# Altium PCB SAMW25_Xplained_Pro.PcbDoc (part 9 of 9)
Units mm, origin at the board's own origin, x right, y up, seen from the top; angles counter-clockwise.
Board outline 60 x 60 mm, 4 copper layers (Top Layer LF-signals, GND, POWER, Bottom Layer LF-signals), stack 1.602 mm thick; 139 components, 107 nets, 540 pads, 303 vias.
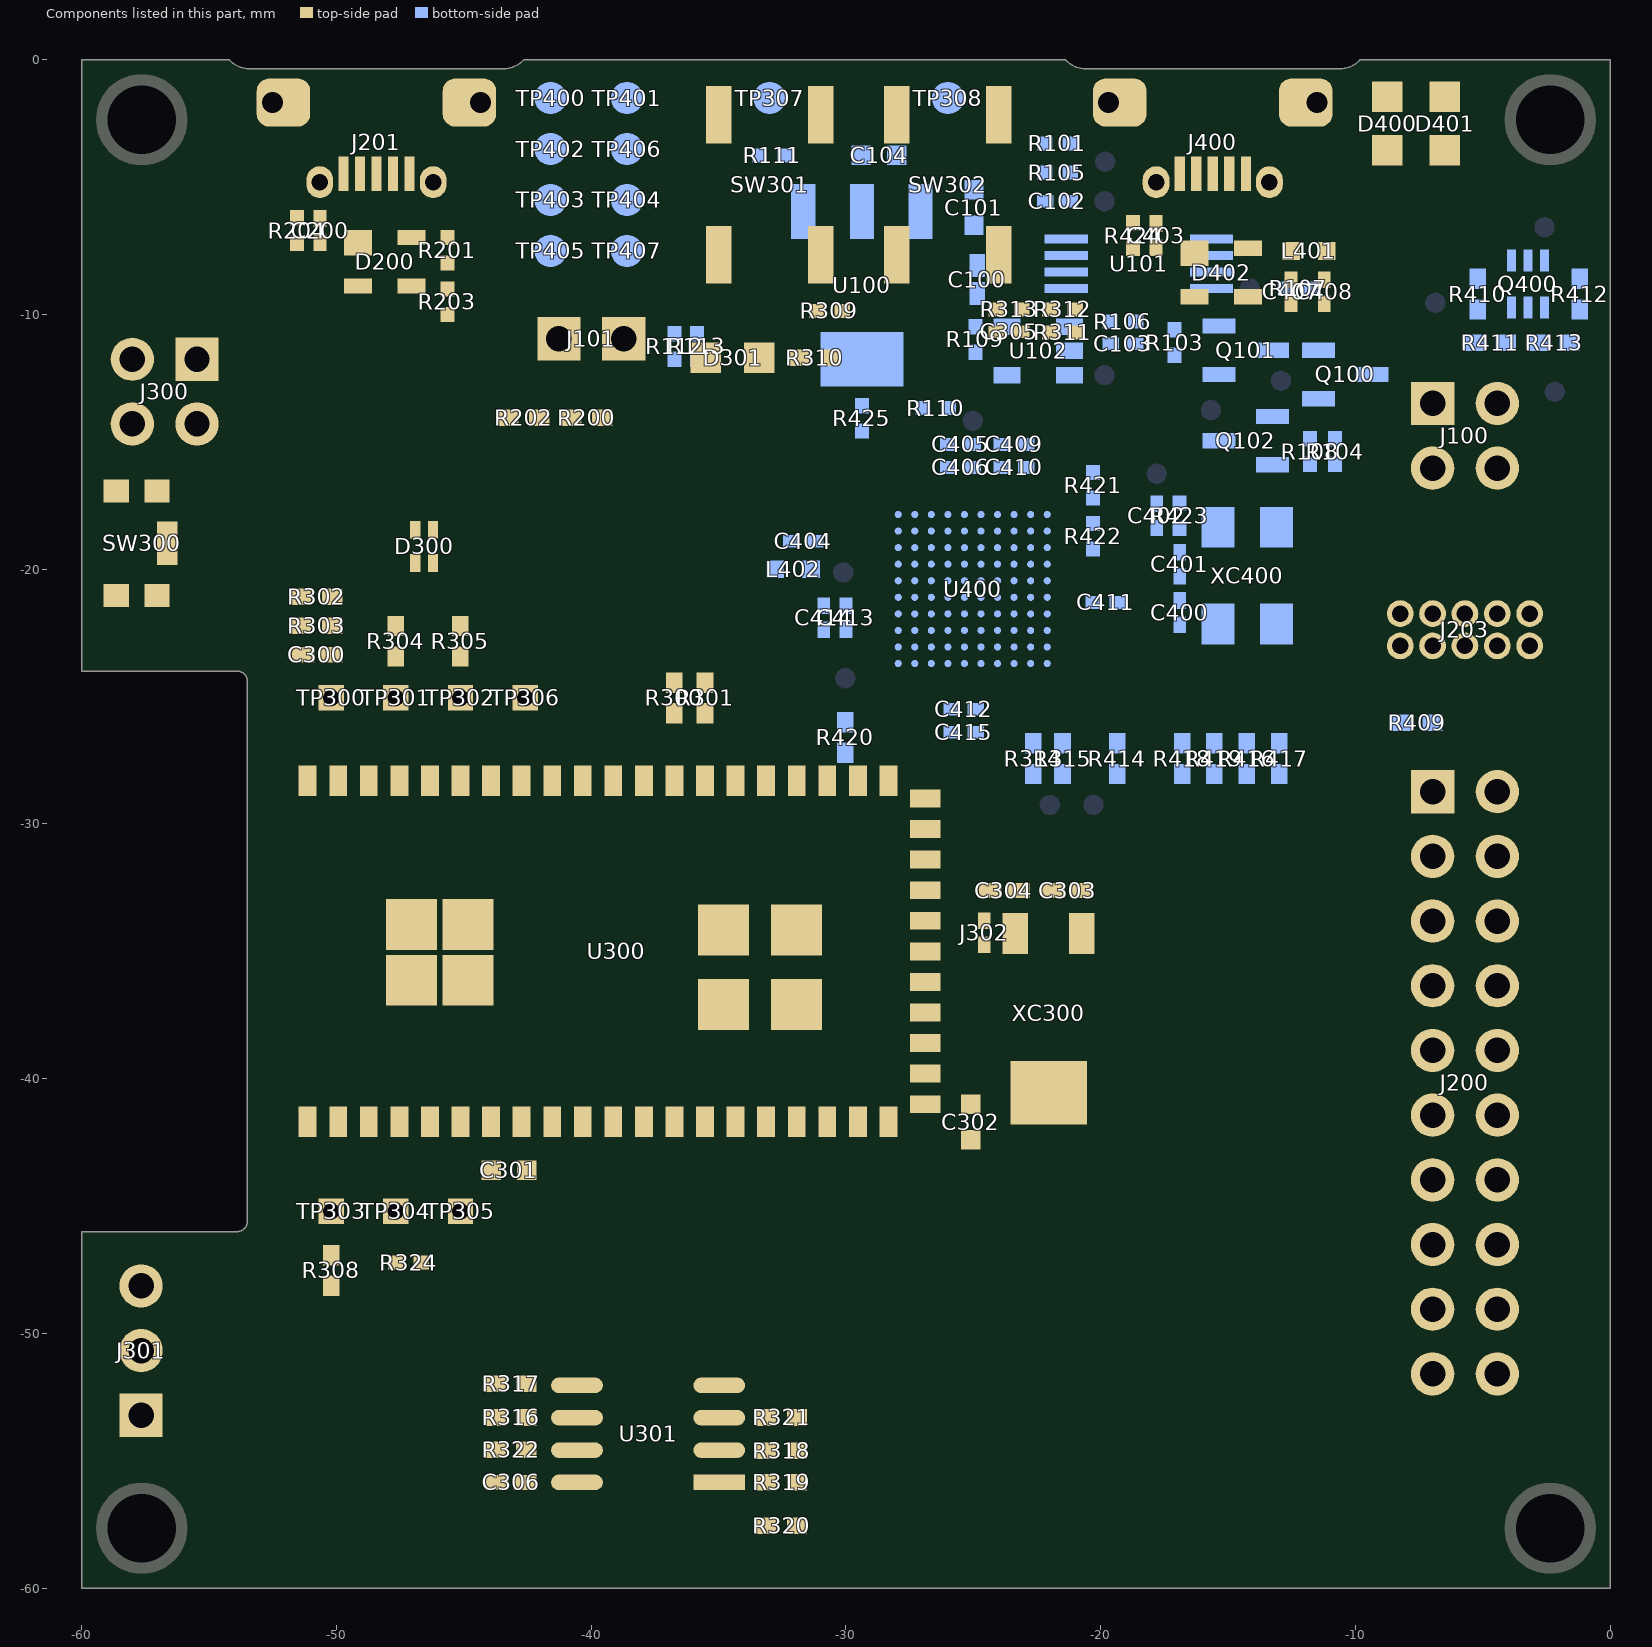
[diagram p11: the components of this part, seen from the top]

## Polygon pours and split planes (outlines as drawn) (continued)
GND on GND (split plane): -0.252,-59.748 -59.748,-59.748 -59.748,-46.252 -53.9,-46.252 -53.897,-46.252 -53.798,-46.244 -53.699,-46.22 -53.604,-46.181 -53.517,-46.127 -53.439,-46.061 -53.373,-45.983 -53.319,-45.896 -53.28,-45.801 -53.256,-45.702 -53.248,-45.603 -53.248,-45.6 -53.248,-24.4 -53.248,-24.397 -53.256,-24.298 -53.28,-24.199 -53.319,-24.104 -53.373,-24.017 -53.439,-23.939 -53.517,-23.873 -53.604,-23.819 -53.699,-23.78 -53.798,-23.756 -53.897,-23.748 -53.9,-23.748 -59.748,-23.748 -59.748,-0.252 -54.314,-0.252 -54.237,-0.321 -54.119,-0.405 -53.992,-0.474 -53.859,-0.53 -53.72,-0.57 -53.578,-0.594 -53.435,-0.602 -53.434,-0.602 -43.434,-0.602 -43.433,-0.602 -43.29,-0.594 -43.148,-0.57 -43.009,-0.53 -42.876,-0.474 -42.749,-0.405 -42.631,-0.321 -42.554,-0.252 -21.48,-0.252 -21.403,-0.321 -21.285,-0.405 -21.158,-0.474 -21.025,-0.53 -20.886,-0.57 -20.744,-0.594 -20.601,-0.602 -20.6,-0.602 -10.6,-0.602 -10.599,-0.602 -10.456,-0.594 -10.314,-0.57 -10.175,-0.53 -10.042,-0.474 -9.915,-0.405 -9.797,-0.321 -9.72,-0.252 -0.252,-0.252
VCC_EDBG_P3V3 on POWER (split plane): -0.252,-14.123 -6.025,-14.123 -6.077,-14.13 -6.126,-14.15 -6.168,-14.182 -6.2,-14.224 -6.22,-14.273 -6.227,-14.325 -6.227,-24.566 -7.984,-26.323 -28.375,-26.323 -33.635,-21.063 -33.635,-6.887 -33.35,-6.602 -31.519,-6.602 -31.202,-6.919 -31.202,-11.2 -31.195,-11.252 -31.175,-11.301 -31.143,-11.343 -30.743,-11.743 -30.701,-11.775 -30.652,-11.795 -30.6,-11.802 -20.475,-11.802 -20.423,-11.795 -20.374,-11.775 -20.332,-11.743 -20.3,-11.701 -20.28,-11.652 -20.273,-11.6 -20.273,-10.277 -18.75,-10.277 -18.698,-10.27 -18.649,-10.25 -18.607,-10.218 -18.575,-10.176 -18.555,-10.127 -18.548,-10.075 -18.548,-0.602 -10.6,-0.602 -10.599,-0.602 -10.456,-0.594 -10.314,-0.57 -10.175,-0.53 -10.042,-0.474 -9.915,-0.405 -9.797,-0.321 -9.72,-0.252 -0.252,-0.252
VCC_MCU_P3V3 on POWER (split plane): -40.202,-10.009 -40.202,-12.925 -40.195,-12.977 -40.175,-13.026 -40.143,-13.068 -39.402,-13.809 -39.402,-38.475 -39.395,-38.527 -39.375,-38.576 -39.343,-38.618 -38.818,-39.143 -38.776,-39.175 -38.727,-39.195 -38.675,-39.202 -24.984,-39.202 -23.752,-40.434 -23.752,-42.141 -25.134,-43.523 -44.366,-43.523 -44.823,-43.066 -44.823,-40.284 -43.507,-38.968 -43.475,-38.926 -43.455,-38.877 -43.448,-38.825 -43.448,-10.409 -42.316,-9.277 -40.934,-9.277
VCC_TARGET_USB_P5V0 on POWER (split plane): -21.403,-0.321 -21.285,-0.405 -21.158,-0.474 -21.025,-0.53 -20.886,-0.57 -20.744,-0.594 -20.601,-0.602 -20.6,-0.602 -18.952,-0.602 -18.952,-9.873 -20.273,-9.873 -20.273,-6.4 -20.273,-4.7 -20.28,-4.648 -20.3,-4.599 -20.332,-4.557 -22.107,-2.782 -22.149,-2.75 -22.198,-2.73 -22.25,-2.723 -40.925,-2.723 -40.977,-2.73 -41.026,-2.75 -41.068,-2.782 -43.118,-4.832 -43.15,-4.874 -43.17,-4.923 -43.177,-4.975 -43.177,-7.241 -43.659,-7.723 -44.691,-7.723 -45.123,-7.291 -45.123,-0.602 -43.434,-0.602 -43.433,-0.602 -43.29,-0.594 -43.148,-0.57 -43.009,-0.53 -42.876,-0.474 -42.749,-0.405 -42.631,-0.321 -42.554,-0.252 -21.48,-0.252
VCC_TARGET_P3V3 on POWER (split plane): -54.237,-0.321 -54.119,-0.405 -53.992,-0.474 -53.859,-0.53 -53.72,-0.57 -53.578,-0.594 -53.435,-0.602 -53.434,-0.602 -45.527,-0.602 -45.527,-7.375 -45.52,-7.427 -45.5,-7.476 -45.468,-7.518 -44.918,-8.068 -44.876,-8.1 -44.827,-8.12 -44.775,-8.127 -43.575,-8.127 -43.523,-8.12 -43.474,-8.1 -43.432,-8.068 -42.832,-7.468 -42.8,-7.426 -42.78,-7.377 -42.773,-7.325 -42.773,-5.059 -40.841,-3.127 -22.334,-3.127 -20.677,-4.784 -20.677,-6.4 -20.677,-10.075 -20.677,-11.398 -30.516,-11.398 -30.798,-11.116 -30.798,-6.835 -30.805,-6.783 -30.825,-6.734 -30.857,-6.693 -31.293,-6.257 -31.334,-6.225 -31.383,-6.205 -31.435,-6.198 -33.433,-6.198 -33.485,-6.205 -33.534,-6.225 -33.576,-6.257 -33.979,-6.661 -34.011,-6.703 -34.032,-6.751 -34.038,-6.803 -34.038,-21.147 -34.032,-21.199 -34.011,-21.248 -33.979,-21.289 -28.601,-26.668 -28.559,-26.7 -28.511,-26.72 -28.458,-26.727 -7.9,-26.727 -7.848,-26.72 -7.799,-26.7 -7.757,-26.668 -5.882,-24.793 -5.864,-24.769 -5.85,-24.751 -5.83,-24.702 -5.823,-24.65 -5.823,-14.527 -0.252,-14.527 -0.252,-59.748 -59.748,-59.748 -59.748,-46.252 -53.9,-46.252 -53.897,-46.252 -53.798,-46.244 -53.699,-46.22 -53.604,-46.181 -53.517,-46.127 -53.439,-46.061 -53.373,-45.983 -53.319,-45.896 -53.28,-45.801 -53.256,-45.702 -53.248,-45.603 -53.248,-45.6 -53.248,-24.4 -53.248,-24.397 -53.256,-24.298 -53.28,-24.199 -53.319,-24.104 -53.373,-24.017 -53.439,-23.939 -53.517,-23.873 -53.604,-23.819 -53.699,-23.78 -53.798,-23.756 -53.897,-23.748 -53.9,-23.748 -59.748,-23.748 -59.748,-0.252 -54.314,-0.252

## Keep-outs
Keep-Out Layer:
  lines w0.1: -44.064,-0.436 ccw(c-43.434,0.386) -42.658,-0.3 -21.375,-0.3 ccw(c-20.599,0.386) -19.964,-0.432 -11.23,-0.432 ; -44.064,-0.432 -52.798,-0.432 cw(c-53.433,0.386) -54.209,-0.3 -59.7,-0.3 -59.7,-23.7 -53.6,-23.7 cw(c-53.6,-24.1) -53.2,-24.1 -53.2,-45.9 cw(c-53.6,-45.9) -53.6,-46.3 -59.7,-46.3 -59.7,-59.7 -0.3,-59.7 -0.3,-0.3 -9.825,-0.3 cw(c-10.6,0.386) -11.23,-0.436

## Other copper
Top Layer LF-signals:
  pour cut-out: -41.525,-56.7 -41.525,-50.95 -33.6,-50.95 -33.6,-56.7
POWER (plane layer: these items are gaps in the copper):
  lines w0.4: -46.1,-0.4 -45.325,-0.4 -45.325,-7.375 -44.775,-7.925 -43.575,-7.925 -42.975,-7.325 -42.975,-4.975 -40.925,-2.925 -22.25,-2.925 -20.475,-4.7 -20.475,-6.4 ; -44.844,-59.984 -43.75,-59.984 ; -19.225,-0.375 -18.75,-0.375 -18.75,-10.075 -20.475,-10.075 -20.475,-6.4 ; 0,-14.325 -6.025,-14.325 -6.025,-24.65 -7.9,-26.525 -28.458,-26.525 -33.837,-21.147 -33.837,-6.803 -33.433,-6.4 -31.8,-6.4 -31.435,-6.4 -31,-6.835 -31,-11.2 -30.6,-11.6 -20.475,-11.6 -20.475,-6.4 ; -45.025,-43.15 -44.45,-43.725 -25.05,-43.725 -23.55,-42.225 -23.55,-40.35 -24.9,-39 -38.675,-39 -39.2,-38.475 -39.2,-13.725 -40,-12.925 -40,-9.925 -40.85,-9.075 -42.4,-9.075 -43.65,-10.325 -43.65,-38.825 -45.025,-40.2 -45.025,-43.15

## Silkscreen, mask and mechanical layers (free items; w line width, h text height)
Top Overlay:
  pour cut-out: -4.25,-2.35 ccw(c-2.35,-2.35) -2.35,-4.25 ccw(c-2.35,-2.35) -0.45,-2.35 ccw(c-2.35,-2.35) -2.35,-0.45 ccw(c-2.35,-2.35)
  text "GND" at -3.829,-6.006 h1.52
  text "VCC_TARGET" at -38.225,-7.65 h1 r90
  text "VCC_MCU" at -40.85,-7.675 h1 r90
  text "DEBUG USB" at -21.275,-8.501 h1.5 r90
  text "TARGET USB" at -54.35,-9.2 h1.5 r90
  text "POWER" at -8.25,-10 h1.5 r90
  text "STATUS" at -6,-10.25 h1.5 r90
  text "SW0" at -36.2,-10.5 h1.5
  text "RESET" at -29.2,-10.5 h1.5
  text "PWR" at -7.126,-11.943 h1.5
  text "5V0_IN" at -16.792,-13.96 h1.5
  text "GND" at -11.8,-13.96 h1.5
  text "LED0" at -36.327,-13.976 h1.5
  text "VBUS" at -47.65,-14.525 h1.5
  text "ID" at -38.7,-14.525 h1.5
  text "DISCONNECT" at -46.216,-15.8 h1.5
  text "I2C DEBUG" at -52.9,-16.5 h1.5 r90
  text "5V0" at -16.784,-16.5 h1.5
  text "3V3" at -11.792,-16.5 h1.5
  text "B" at -32.875,-18.225 h7
  text "SAMW25" at -8.24,-18.872 h1.5
  text "CORTEX DEBUG" at -10.875,-19.988 h1.5
  text "WIFI" at -53.85,-20.35 h1.5 r90
  text "LED1" at -47.575,-20.6 h1.5 r90
  text "RESET" at -55.05,-21.125 h1.5 r90
  text "SAMW25" at -36.9,-21.721 h2
  text "X" at -28.362,-21.746 h4
  text "PLAINED" at -24.937,-21.746 h2
  text "PRO" at -15.887,-21.73 h1
  text "EXT1" at -7.147,-25.85 h1.5
  text "SAMW25H18-MR510PB" at -52.269,-27.15 h1.5
  text "1" at -7.197,-27.309 h1.5
  text "2" at -4.761,-27.314 h1.5
  text "ID" at -15.765,-29.194 h1.5
  text "GND" at -11.798,-29.194 h1.5
  text "PA02" at -15.765,-31.734 h1.5
  text "PA03" at -11.798,-31.734 h1.5
  text "PB02" at -15.765,-34.274 h1.5
  text "PB03" at -11.798,-34.274 h1.5
  text "PA10" at -15.765,-36.814 h1.5
  text "PA11" at -11.798,-36.814 h1.5
  text "PA20" at -15.765,-39.354 h1.5
  text "PA21" at -11.798,-39.354 h1.5
  text "PA08" at -15.765,-41.894 h1.5
  text "PA09" at -11.798,-41.894 h1.5
  text "32.768 kHz Crystal" at -18.85,-42.225 h1.5 r90
  text "PB11" at -15.765,-44.434 h1.5
  text "PB10" at -11.798,-44.434 h1.5
  text "PA17" at -15.765,-46.969 h1.5
  text "PA18" at -11.798,-46.969 h1.5
  text "PA16" at -15.765,-49.509 h1.5
  text "PA19" at -11.798,-49.509 h1.5
  text "GND" at -15.765,-52.054 h1.5
  text "VCC" at -11.798,-52.054 h1.5
  text "19" at -7.665,-53.948 h1.5
  text "20" at -5.14,-53.953 h1.5
  text "UART DEBUG" at -54.925,-54.875 h1.5 r90
Bottom Overlay:
  text "GND" at -39.2,-2.775 h0.67
  text "BOOT" at -35.481,-2.775 h0.67
  text "TCK" at -39.2,-4.775 h0.67
  text "RST" at -36.152,-4.775 h0.67
  text "TDI" at -39.424,-6.775 h0.67
  text "TDO" at -36.152,-6.775 h0.67
  text "TMS" at -39.2,-8.775 h0.67
  text "VCC" at -36.152,-8.775 h0.67
  text "SDA" at -58.356,-10.55 h0.67 r270
  text "SCL" at -55.816,-10.55 h0.67 r270
  text "2" at -0.92,-13.96 h1.5
  text "4" at -0.879,-16.5 h1.5
  text "NC" at -58.356,-16.628 h0.67 r270
  text "GND" at -55.816,-17.3 h0.67 r270
  text "RESET" at -50.551,-24.3 h0.67 r270
  text "GPIO18" at -48.011,-24.3 h0.67 r270
  text "GPIO16" at -45.471,-24.3 h0.67 r270
  text "GPIO15" at -42.931,-24.3 h0.67 r270
  text "ID" at -8.142,-29.035 h0.67
  text "GND" at -0.795,-29.035 h0.67
  text "XPLAINED PRO" at -14.5,-30.807 h0.67
  text "PA02" at -8.142,-31.574 h0.67
  text "PA03" at -0.795,-31.574 h0.67
  text "EXTENSION HEADER" at -13.156,-31.957 h0.67
  text "ID" at -18.425,-33.8 h1.3
  text "GND" at -12.3,-33.8 h1.3
  text "PB02" at -8.142,-34.113 h0.67
  text "PB03" at -0.795,-34.113 h0.67
  text "ADC+" at -18.425,-35.425 h1.3
  text "ADC-" at -12.3,-35.425 h1.3
  text "PA10" at -8.142,-36.652 h0.67
  text "PA11" at -0.795,-36.652 h0.67
  text "GPIO0" at -18.425,-37.05 h1.3
  text "GPIO1" at -12.3,-37.05 h1.3
  text "PWM+" at -18.425,-38.675 h1.3
  text "PWM-" at -12.3,-38.675 h1.3
  text "PA20" at -8.142,-39.192 h0.67
  text "PA21" at -0.795,-39.192 h0.67
  text "IRQ" at -18.425,-40.3 h1.3
  text "SPI_SS_B" at -12.3,-40.3 h1.3
  text "PA08" at -8.142,-41.731 h0.67
  text "PA09" at -0.795,-41.731 h0.67
  text "TWI_SDA" at -18.425,-41.925 h1.3
  text "TWI_SCL" at -12.3,-41.925 h1.3
  text "UART_RX" at -18.425,-43.55 h1.3
  text "UART_TX" at -12.3,-43.55 h1.3
  text "PB11" at -8.142,-44.27 h0.67
  text "PB10" at -0.795,-44.27 h0.67
  text "SPI_SS_A" at -18.425,-45.175 h1.3
  text "SPI_MOSI" at -12.3,-45.175 h1.3
  text "t" at -32.63,-45.248 h4
  text "p" at -36.854,-45.723 h4
  text "c" at -26.754,-45.723 h4
  text "SPI_MISO" at -18.425,-46.8 h1.3
  text "SPI_SCK" at -12.3,-46.8 h1.3
  text "PA17" at -8.142,-46.809 h0.67
  text "PA18" at -0.795,-46.809 h0.67
  text "NC" at -45.521,-47.353 h0.67 r270
  text "Atmel Corp © 2015" at -26.214,-48.223 h2
  text "GND" at -18.425,-48.425 h1.3
  text "VCC" at -12.3,-48.425 h1.3
  text "GND" at -54.625,-48.475 h0.67
  text "GPIO1" at -48.061,-49.033 h0.67 r270
  text "PA16" at -8.142,-49.349 h0.67
  text "PA19" at -0.795,-49.349 h0.67
  text "CHIP EN" at -50.561,-50.6 h0.67 r270
  text "TXD" at -54.625,-51.011 h0.67
  text "GND" at -8.125,-51.8 h0.67
  text "VCC" at -0.795,-51.888 h0.67
  text "RXD" at -54.625,-53.551 h0.67
  text "A08-2266 Rev 2" at -27.674,-56.173 h2
Mechanical 1:
  lines w0.1: -19.1,-0.353 -12.082,-0.353 ; -60,-60 0,-60 0,0 -9.825,0 cw(c-10.6,0.686) -10.6,-0.35 -20.6,-0.35 cw(c-20.6,0.686) -21.375,-0.001 -42.659,0 cw(c-43.434,0.686) -43.434,-0.35 -53.434,-0.35 cw(c-53.434,0.686) -54.209,-0.001 -60,0 -60,-24 -53.9,-24 cw(c-53.9,-24.4) -53.5,-24.4 -53.5,-45.6 cw(c-53.9,-45.6) -53.9,-46 -60,-46 -60,-60
Mechanical 4:
  circle w0.254: c-18.57,-53.03 r0.5
  circle w0.254: c-18.57,-55.57 r0.5
  circle w0.254: c-21.11,-53.03 r0.5
  circle w0.254: c-21.11,-55.57 r0.5
  circle w0.254: c-23.65,-53.03 r0.5
  circle w0.254: c-23.65,-55.57 r0.5
  circle w0.254: c-26.19,-53.03 r0.5
  circle w0.254: c-26.19,-55.57 r0.5
  circle w0.254: c-28.73,-55.57 r0.5
  circle w0.254: c-28.73,-53.03 r0.5
  circle w0.254: c-31.27,-53.03 r0.5
  circle w0.254: c-31.27,-55.57 r0.5
  circle w0.254: c-33.81,-53.03 r0.5
  circle w0.254: c-33.81,-55.57 r0.5
  circle w0.254: c-36.35,-55.57 r0.5
  circle w0.254: c-36.35,-53.03 r0.5
  circle w0.254: c-38.89,-53.03 r0.5
  circle w0.254: c-38.89,-55.57 r0.5
  circle w0.254: c-41.43,-55.57 r0.5
  circle w0.254: c-41.43,-53.03 r0.5
  circle w0.2: c-57.65,-57.65 r1.35
  circle w0.2: c-2.35,-57.65 r1.35
  circle w0.254: c-6.995,-28.73 r0.5
  circle w0.254: c-4.455,-28.73 r0.5
  circle w0.254: c-6.995,-31.27 r0.5
  circle w0.254: c-4.455,-31.27 r0.5
  circle w0.254: c-6.995,-33.81 r0.5
  circle w0.254: c-4.455,-33.81 r0.5
  circle w0.254: c-6.995,-36.35 r0.5
  circle w0.254: c-4.455,-36.35 r0.5
  circle w0.254: c-4.455,-38.89 r0.5
  circle w0.254: c-6.995,-38.89 r0.5
  circle w0.254: c-6.995,-41.43 r0.5
  circle w0.254: c-4.455,-41.43 r0.5
  circle w0.254: c-6.995,-43.97 r0.5
  circle w0.254: c-4.455,-43.97 r0.5
  circle w0.254: c-4.455,-46.51 r0.5
  circle w0.254: c-6.995,-46.51 r0.5
  circle w0.254: c-6.995,-49.05 r0.5
  circle w0.254: c-4.455,-49.05 r0.5
  circle w0.254: c-4.455,-51.59 r0.5
  circle w0.254: c-6.995,-51.59 r0.5
  circle w0.254: c-4.455,-13.49 r0.5
  circle w0.254: c-6.995,-13.49 r0.5
  circle w0.254: c-6.995,-16.03 r0.5
  circle w0.254: c-4.455,-16.03 r0.5
  circle w0.2: c-2.35,-2.35 r1.35
  circle w0.2: c-57.65,-2.35 r1.35
  rectangle: -49.95,-5.85 -49.525,-4.45
  rectangle: -49.3,-5.85 -48.875,-4.45
  rectangle: -48.65,-5.85 -48.225,-4.45
  rectangle: -48,-5.85 -47.575,-4.45
  rectangle: -47.35,-5.85 -46.925,-4.45
  rectangle: -53.325,-3.25 -51.025,-1.35
  rectangle: -50.475,-3.25 -48.7,-1.35
  region: -46.393,-1.35 -48.168,-1.35 -48.168,-3.25 -46.393,-3.25
  region: -43.543,-1.35 -45.843,-1.35 -45.843,-3.25 -43.543,-3.25
  region: -10.709,-1.35 -13.009,-1.35 -13.009,-3.25 -10.709,-3.25
  region: -13.559,-1.35 -15.334,-1.35 -15.334,-3.25 -13.559,-3.25
  rectangle: -17.641,-3.25 -15.866,-1.35
  rectangle: -20.491,-3.25 -18.191,-1.35
  rectangle: -14.516,-5.85 -14.091,-4.45
  rectangle: -15.166,-5.85 -14.741,-4.45
  rectangle: -15.816,-5.85 -15.391,-4.45
  rectangle: -16.466,-5.85 -16.041,-4.45
  rectangle: -17.116,-5.85 -16.691,-4.45
  lines w0.1: -30.5,-54.3 -29.5,-54.3 ; -30,-54.792 -30,-53.792 ; -6.233,-40.16 -5.233,-40.16 ; -6.233,-14.76 -5.233,-14.76 ; -5.725,-40.66 -5.725,-39.66 ; -5.725,-15.26 -5.725,-14.26
  text "SAMW25 Xplained Pro Connector Placement" at -74.38,6.575 h5
  text "TARGET USB" at -53.25,-7.575 h1
  text "DEBUG USB" at -19.95,-7.575 h1
  text "1" at -7.162,-12.05 h1
  text "2" at -4.788,-12.05 h1
  text "Power Header" at -22.619,-15.26 h1
  text "1" at -7.162,-27.29 h1
  text "2" at -4.788,-27.29 h1
  text "Extension Header 1" at -28.117,-40.66 h1
  text "Extension Header 3" at -38.664,-51.138 h1
  text "1" at -15.78,-53.197 h1 r90
  text "2" at -15.78,-55.903 h1 r90
Mechanical 6:
  circle w0.254: c-57.65,-2.35 r1.35
  circle w0.254: c-2.35,-2.35 r1.35
  circle w0.254: c-2.35,-57.65 r1.35
  circle w0.254: c-57.65,-57.65 r1.35
  text "SAMW25 Xplained Pro Mechanical Dimensions" at -76.43,11.05 h5
Mechanical 12:
  circle w0.2: c-2.35,-57.65 r1.35
  circle w0.2: c-57.65,-57.65 r1.35
  circle w0.2: c-57.65,-2.35 r1.35
  circle w0.2: c-2.35,-2.35 r1.35
  circle w0.5: c-41.6,-1.5 r0.25
  circle w0.5: c-41.6,-3.5 r0.25
  circle w0.5: c-41.6,-5.5 r0.25
  circle w0.5: c-41.6,-7.5 r0.25
  circle w0.5: c-38.6,-1.5 r0.25
  circle w0.5: c-38.6,-3.5 r0.25
  circle w0.5: c-38.6,-5.5 r0.25
  circle w0.5: c-38.6,-7.5 r0.25
  circle w0.5: c-33,-1.5 r0.25
  circle w0.5: c-26,-1.5 r0.25
  lines w0.3: -48.15,-22.225 -41.65,-22.225 -41.65,-8.425 ; -48.15,-20.075 -43.6,-20.075 -43.6,-5.525 ; -48.15,-17.8 -44.625,-17.8 -44.625,-3.475 -42.325,-3.475 ; -48.15,-15.725 -45.525,-15.725 -45.525,-1.5 -42.325,-1.5 ; -43.054,-6.2 -42.354,-5.5 -43.054,-4.8 ; -43.025,-4.175 -42.325,-3.475 ; -43.025,-2.775 -42.325,-3.475 ; -43.025,-2.2 -42.325,-1.5 ; -43.025,-0.8 -42.325,-1.5 ; -42.35,-9.125 -41.65,-8.425 ; -42.3,-9.225 -41.6,-8.525 -40.9,-9.225 ; -40.95,-9.125 -41.65,-8.425 ; -39.3,-9.225 -38.6,-8.525 -37.9,-9.225 ; -39.25,-9.125 -38.55,-8.425 ; -37.85,-9.125 -38.55,-8.425 ; -37.175,-6.125 -37.875,-5.425 ; -37.175,-4.725 -37.875,-5.425 ; -37.175,-4.175 -37.875,-3.475 ; -37.175,-2.775 -37.875,-3.475 ; -37.175,-2.2 -37.875,-1.5 ; -37.175,-0.8 -37.875,-1.5 ; -33.675,-3.25 -32.975,-2.55 ; -32.975,-7.125 -32.975,-2.55 ; -32.275,-3.25 -32.975,-2.55 ; -32.05,-22.225 -38.55,-22.225 -38.55,-8.425 ; -32.05,-20.075 -36.6,-20.075 -36.6,-5.425 -37.875,-5.425 ; -32.05,-17.8 -35.575,-17.8 -35.575,-3.475 -37.875,-3.475 ; -32.05,-15.725 -34.675,-15.725 -34.675,-1.5 -37.875,-1.5 ; -26.7,-3.2 -26,-2.5 ; -26,-4.5 -26,-2.5 ; -25.3,-3.2 -26,-2.5
  text "Small MCU Test Points Placement" at -64.183,13.425 h5
  text "TP_TARGET_RESET" at -26.425,-6.075 h1
  text "TP_TARGET_BOOT" at -33.45,-8.7 h1
  text "TP_GND" at -54.427,-16.175 h1
  text "TP_EDBG_BOOT" at -31.25,-16.175 h1
  text "TP_EDBG_TCK" at -59.377,-18.383 h1
  text "TP_EDBG_RESET" at -31.25,-18.383 h1
  text "TP_EDBG_TDI" at -59.044,-20.592 h1
  text "TP_EDBG_TDO" at -31.25,-20.592 h1
  text "TP_EDBG_TMS" at -59.377,-22.8 h1
  text "TP_VCC_EDBG_P3V3" at -31.25,-22.8 h1
  text "TEST POINTS ON BOTTOM LAYER" at -52.725,-27.9 h1
Mechanical 16:
  lines w0.127: -219,-126.915 -213.92,-126.915 ; -219,-56.255 -213.92,-56.255 ; -219,14.23 -213.92,14.23 ; -169.724,-197.4 -169.724,-192.32 ; -169.724,79.46 -169.724,84.54 ; -125.7,79.46 -125.7,84.54 ; -120.575,-197.4 -120.575,-192.32 ; -76.525,79.46 -76.525,84.54 ; -71.426,-197.4 -71.426,-192.32 ; -22.15,-197.4 -22.15,-192.32 ; -22.15,79.46 -22.15,84.54 ; 26.999,-197.4 26.999,-192.32 ; 26.999,79.46 26.999,84.54 ; 55.32,-184.7 169.62,-184.7 ; 55.32,-177.08 169.62,-177.08 ; 55.32,-169.46 93.42,-169.46 ; 76.148,-197.4 76.148,-192.32 ; 76.148,79.46 76.148,84.54 ; 93.42,-192.32 93.42,-177.08 93.42,-161.84 ; 125.424,-197.4 125.424,-192.32 ; 125.424,79.46 125.424,84.54 ; 146.76,-192.32 146.76,-177.08 ; 169.62,-126.915 174.7,-126.915 ; 169.62,-56.3 174.7,-56.3 ; 169.62,14.185 174.7,14.185 ; 55.32,-192.32 19.76,-192.32 19.76,-161.84 55.32,-161.84 ; 55.32,-192.32 169.62,-192.32 ; 55.32,-192.32 55.32,-161.84 ; 55.32,-161.84 93.42,-161.84 ; 93.42,-161.84 169.62,-161.84 169.62,-192.32 ; 169.62,-192.32 -213.92,-192.32 -213.92,79.46 169.62,79.46 169.62,-192.32 ; -219,-197.4 -219,84.54 174.7,84.54 174.7,-197.4 -219,-197.4
  text "1" at -194.963,81.111 h0.67
  text "4" at -47.372,81.111 h0.67
  text "5" at 1.904,81.111 h0.67
  text "6" at 50.926,81.111 h0.67
  text "7" at 100.456,81.111 h0.67
  text "8" at 149.478,81.111 h0.67
  text "2" at -148.474,80.975 h0.67
  text "3" at -101.924,80.825 h0.67
  text "A" at -217.095,47.301 h0.67
  text "A" at 171.525,47.256 h0.67
  text "B" at 171.605,-20.799 h0.67
  text "B" at -217.095,-23.311 h0.67
  text "C" at 172.25,-90.25 h0.67
  text "C" at -217.188,-91.488 h0.67
  text "D" at -217.095,-164.202 h0.67
  text "D" at 171.525,-164.202 h0.67
  text "ENGINEER:" at 56.59,-164.38 h0.67
  text "TITLE:" at 94.69,-164.38 h0.67
  text "PCB DESIGNER:" at 56.59,-171.873 h0.67
  text "B" at 20.75,-177 h22
  text "DATE:" at 56.59,-179.62 h0.67
  text "PART NO.:" at 94.69,-179.62 h0.67
  text "REV:" at 148.03,-179.62 h0.67
  text ".PRINT_DATE" at 56.7,-183.5 h0.67
  text "ATMEL NORWAY" at 24,-184.4 h0.67
  text "Vestre Rosten 79" at 23.97,-186.478 h0.67
  text "FILE NAME:" at 56.59,-187.24 h0.67
  text "DWG NO:" at 94.69,-187.24 h0.67
  text "SCALE:" at 148.03,-187.24 h0.67
  text "N-7075 Tiller" at 23.97,-189.78 h0.67
  text ".PCB_FILE_NAME_NO_PATH" at 57.86,-190.288 h0.67
  text "3" at -95.81,-195.688 h0.67
  text "4" at -46.788,-195.688 h0.67
  text "5" at 1.904,-195.688 h0.67
  text "6" at 50.926,-195.688 h0.67
  text "7" at 100.456,-195.688 h0.67
  text "8" at 149.478,-195.688 h0.67

## Dimensions
-60,-60 to -53.5,-45.6 on Mechanical 6
-60,-46 to -60,-60 on Mechanical 6
-60,-24 to -60,-60 on Mechanical 6
-60,0 to -60,-60 on Mechanical 6
0,0 to -29.5,-54.3 on Mechanical 4
-41.85,-5.5 to -41.85,-7.5 on Mechanical 12
-25.75,-1.5 to 0,0 on Mechanical 12
0,0 to -41.6,-1.25 on Mechanical 12
0,0 to -38.6,-1.25 on Mechanical 12
0,0 to -33,-1.25 on Mechanical 12
0,0 to -26,-1.25 on Mechanical 12
-60,-60 to 0,-60 on Mechanical 6
-42.709,0 to 0,0 on Mechanical 6
-54.259,0 to 0,0 on Mechanical 6
-21.375,0 to 0,0.254 on Mechanical 6
0,0 to -9.825,-0.001 on Mechanical 6
-60,-60.254 to -57.65,-59 on Mechanical 6
-59,-57.65 to -60,-60 on Mechanical 6
-57.65,-2.35 to -62.775,1.6 on Mechanical 6
-10.6,-0.35 to 0,0 on Mechanical 6
-5.192,-14.76 to 0,-60 on Mechanical 4
-5.192,-40.16 to 0,-60 on Mechanical 4
0,0 to -48.434,-1.8 on Mechanical 4
-15.1,-2.3 to 0,0 on Mechanical 4
0,0 to -15.6,-1.8 on Mechanical 4

## Text inside footprints (layer, text, board x,y; h text height)
LABEL1: Bottom Overlay "PCBA LABEL" at -29.933,-54.098 h1.52